# Altium PCB EDA-03518-V3-0_pcb.pcbdoc (part 3 of 14) (continued)
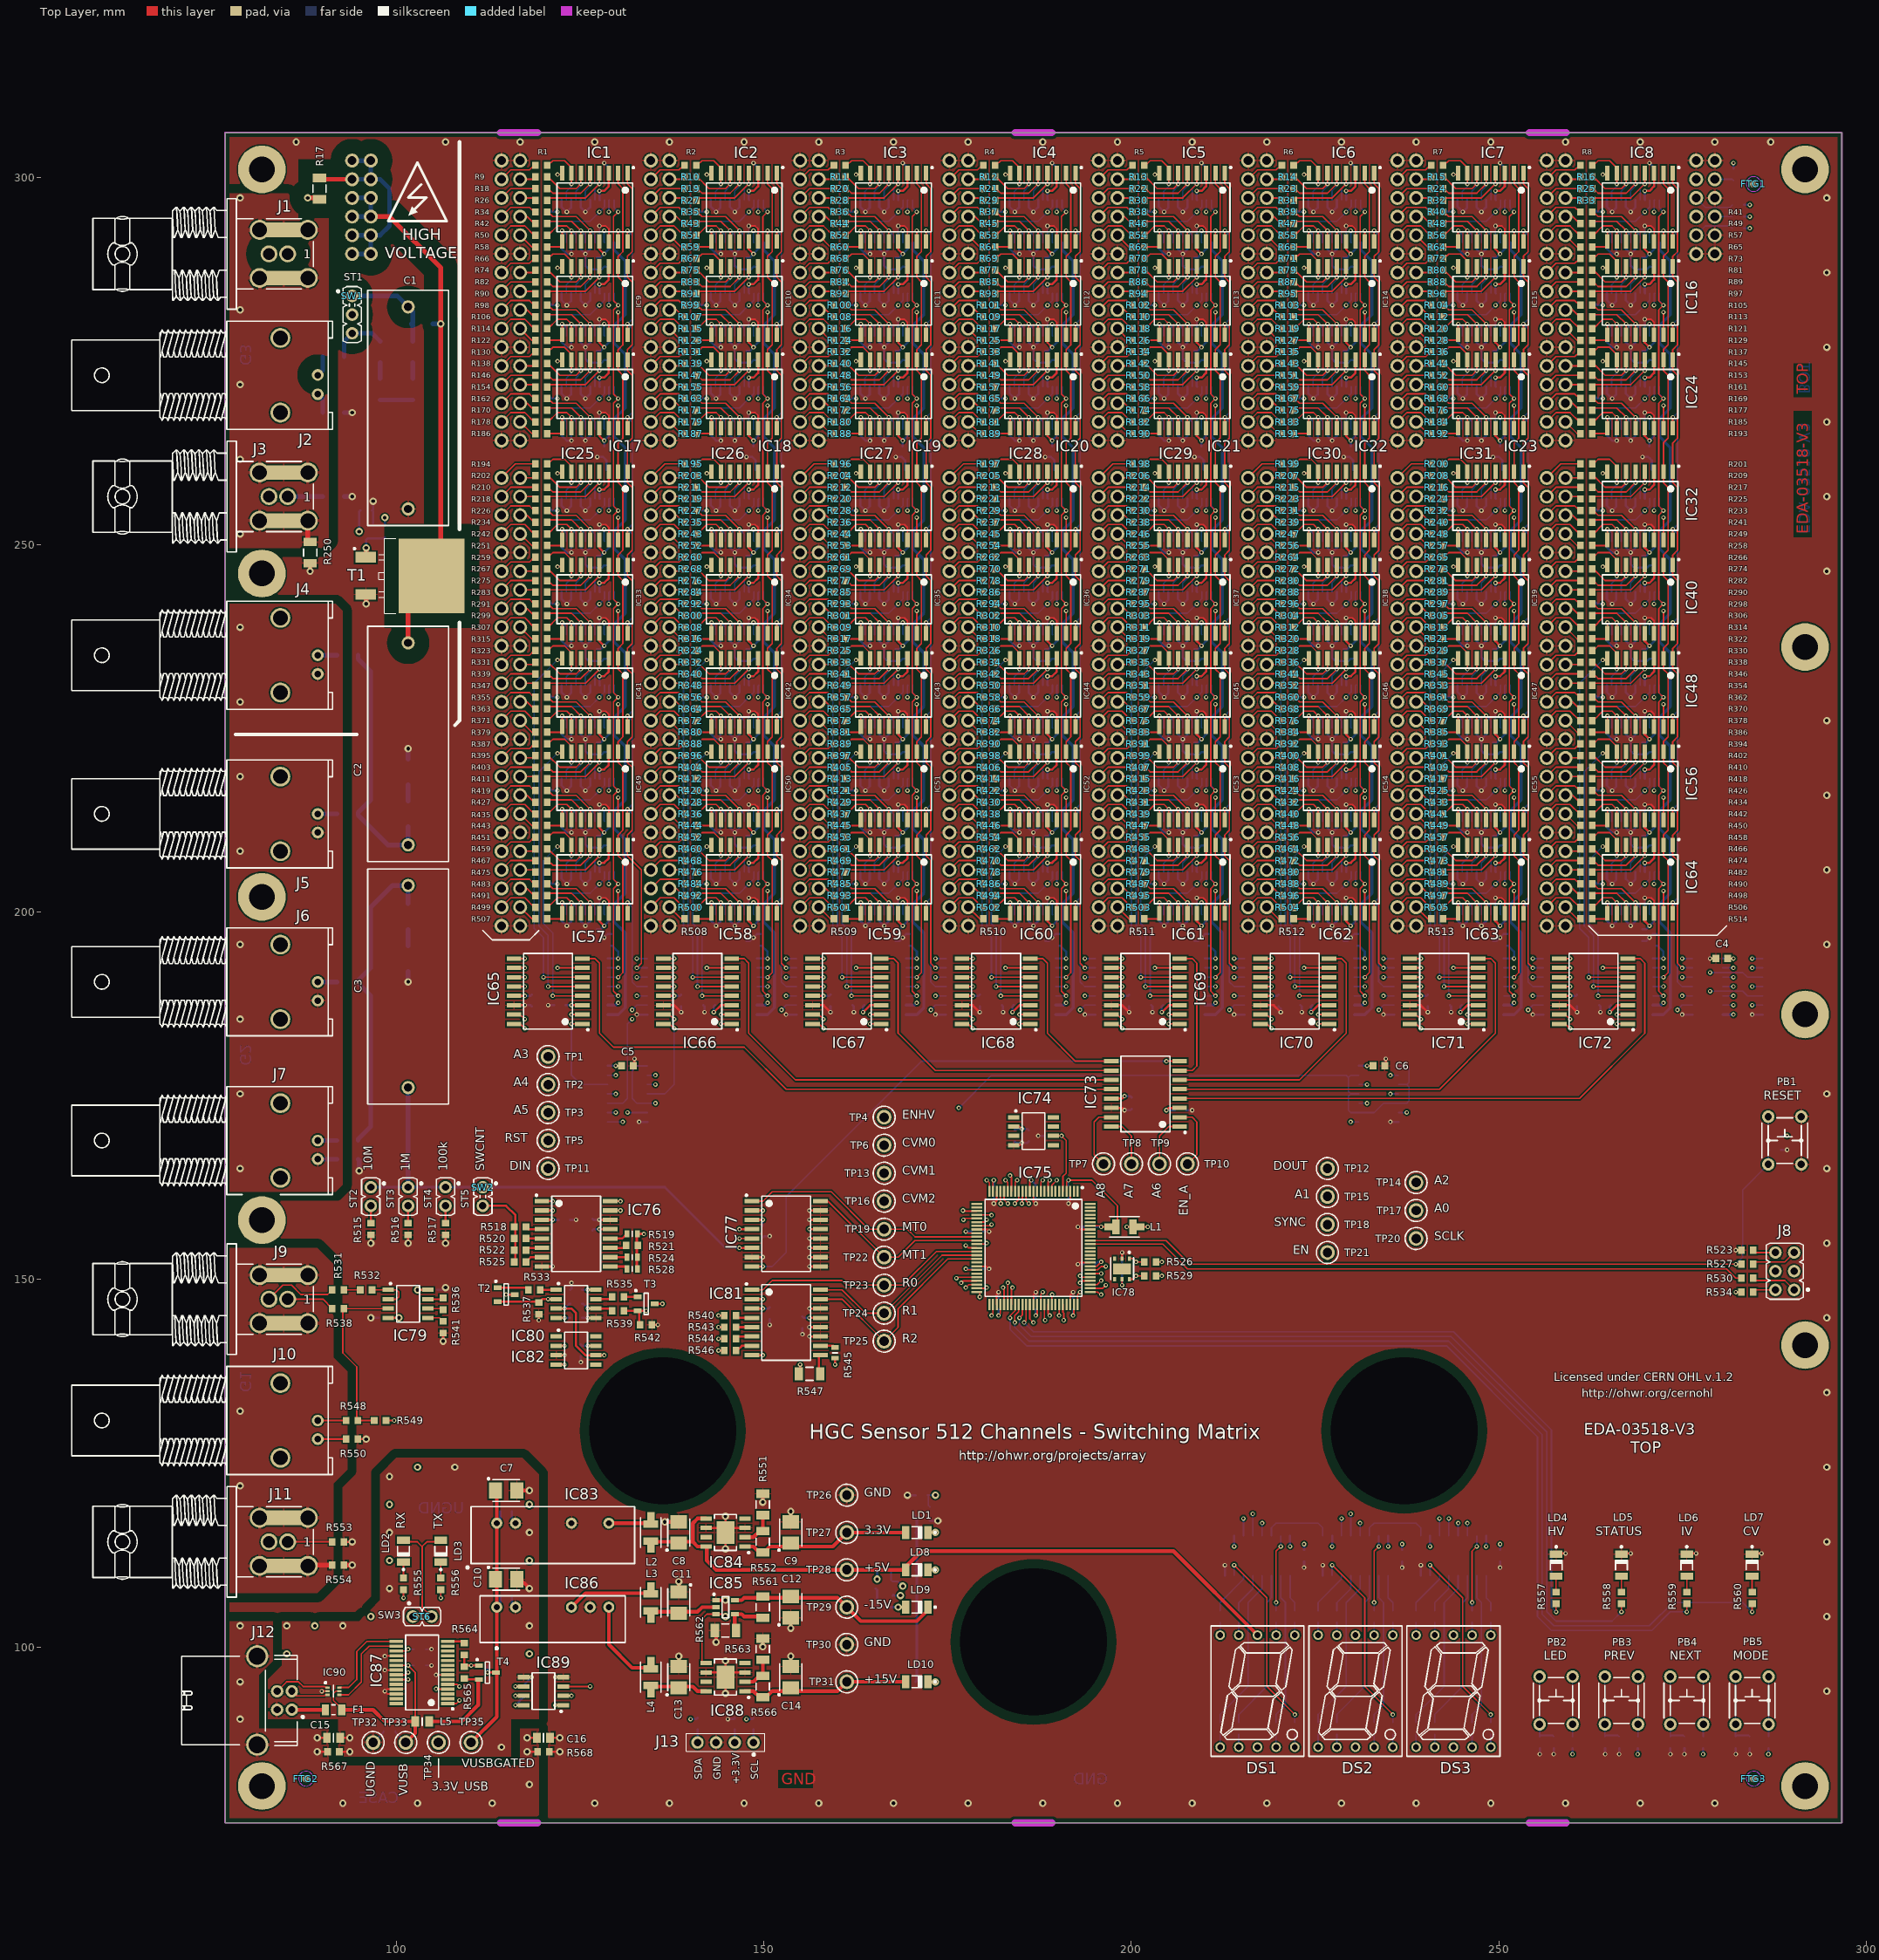
[diagram p0: Top Layer view]
## Part data (continued)
IC90: "2 Data-Line Protection, Very Low Capacitance ESD Protection", Case=SOT666, Manufacturer="ST MICROELECTRONICS", Author="CERN DEM MR", Bonding=No, ComponentHeight=0.6mm, Component Type=Standard, CreateDate=16/06/2016, Device=USBLC6-2P6, HelpURL=\\cern.ch\dfs\Applications\Altium\Datasheets\USBLC6-2P6.pdf, LatestRevisionDate=16/06/2016, Manufacturer Part Number=USBLC6-2P6, Mounted=Yes, PackageDescription="SOTFL (SOT666, SOT563), 0.50mm, Pitch; 6 Pin, 1.20mm W X 1.60mm L X 0.60mm H Body, IPC Medium Density", Part Description="2 Data-Line Protection, Very Low Capacitance ESD Protection", Part Number=USBLC6-2P6, Pin Count=6, PressFit=No, Sense=No, SMD=Yes, Socket=No
IC91 IC92 IC93 IC94 IC95 IC96 IC97 IC98 IC99 IC100 IC101 IC102 IC103 IC104 IC105 IC106 IC107 IC108 IC109 IC110 IC111 IC112 IC113 IC114 IC115 IC116 IC117 IC118 IC119 IC120 IC121 IC122 IC123 IC124 IC125 IC126 IC127 IC128 IC129 IC130 IC131 IC132 IC133 IC134 IC135 IC136 IC137 IC138 IC139 IC140 IC141 IC142 IC143 IC144 IC145 IC146 IC147 IC148 IC149 IC150 IC151 IC152 IC153 IC154: "9.5 Ohm ON Resistance, ±15 V/+12 V/±5 V iCMOS,  Serially-Controlled Octal SPST Switches", Case=TSSOP24, Manufacturer="ANALOG DEVICES", Author="CERN DEM MR", Bonding=No, ComponentHeight=1.2mm, Component Type=Standard, CreateDate=21/10/2016, Device=ADG1414BRUZ, HelpURL=\\cern.ch\dfs\Applications\Altium\Datasheets\ADG1414BRUZ.pdf, LatestRevisionDate=21/10/2016, Manufacturer Part Number=ADG1414BRUZ, Mounted=Yes, PackageDescription="SOP, 0.65mm Pitch; 24 Pin, 4.40mm W X 7.80mm L X 1.20mm H Body, IPC Medium Density", Part Description="9.5 Ohm ON Resistance, ±15 V/+12 V/±5 V iCMOS,  Serially-Controlled Octal SPST Switches", Part Number=ADG1414BRUZ, Pin Count=24, PressFit=No, Sense=No, SMD=Yes, Socket=No
IC155 IC156 IC157 IC158 IC159 IC160 IC161 IC162 IC163 IC164 IC165: "Hex Inverter", Case=SOIC14, Manufacturer="NXP SEMICONDUCTORS", Author="CERN DEM JLC", Bonding=No, ComponentHeight=1.75mm, Component Type=Standard, CreateDate=06/04/2011, Device=74HC04D, HelpURL=\\cern.ch\dfs\Applications\Altium\Datasheets\74HC04D.pdf, LatestRevisionDate=06/04/2011, Manufacturer Part Number=74HC04D, Mounted=Yes, PackageDescription="SOIC 14, Pitch 1.27mm - Body 4x8.75mm, IPC Medium Density", Part Description="Hex Inverters", Part Number=74HC04D, Pin Count=12, PressFit=No, Sense=No, SMD=Yes, Socket=No
IC166 IC167 IC168: "8-Bit Shift Register With 3-State Output Register", Case=SOIC16, Manufacturer="TEXAS INSTRUMENTS", Author="CERN DEM JLC", Bonding=No, ComponentHeight=1.75mm, Component Type=Standard, CreateDate=05/06/2012, Device=SN74HC595D, HelpURL=\\cern.ch\dfs\Applications\Altium\Datasheets\SN74HC595D.pdf, LatestRevisionDate=05/06/2012, Manufacturer Part Number=SN74HC595D, Mounted=Yes, PackageDescription="SOIC 16, Pitch 1.27mm - Body 4x10mm, IPC Medium Density", Part Description="8-Bit Shift Register With 3-State Output Registers", Part Number=SN74HC595D, Pin Count=16, PressFit=No, Sense=No, SMD=Yes, Socket=No
J1 J3 J9 J11: library part CINCH_CBBJR79A, Manufacturer=TROMPETER/CINCH, Manufacturer Part Number=CBBJR79A, Author="CERN DEM WB", ClassName=NotMounted, ComponentHeight=8.636mm, Component Type=Standard, CreateDate=29/07/2016, Family=TRB, HelpURL=\\cern.ch\dfs\Applications\Altium\Datasheets\CINCH_CBBJR79A.pdf, LatestRevisionDate=15/02/2017, Mounted=No, Part Description="TRB ( Twinax/Triax 500MHz) Right Angle PCB Jack", Part Number=CINCH_CBBJR79A, Pin Count=2, PressFit=No, Sense=No, SMD=No, Socket=No, Status=None
J2 J4 J5 J6 J7 J10: library part TYCO_1-1337543-0, Manufacturer="TYCO ELECTRONICS", Manufacturer Part Number=1-1337543-0, Author="CERN DEM MR", ComponentHeight=15.8mm, Component Type=Standard, CreateDate=12/01/2016, Family=BNC, HelpURL=\\cern.ch\dfs\Applications\Altium\Datasheets\TYCO_1-1337543-0.pdf, LatestRevisionDate=12/01/2016, Mounted=Yes, Part Description="50 Ohms  BNC Elbow PCB Socket With Mounting Posts", Part Number=TYCO_1-1337543-0, Pin Count=2, PressFit=No, Sense=No, SMD=No, Socket=No, Status=None
J8: library part SAMTEC_MTLW-103-07-L-D-250, "Connector 6 Male", Manufacturer=SAMTEC, Manufacturer Part Number=MTLW-103-07-L-D-250, Author="CERN DEM JLC", ComponentHeight=7.87mm, Component Type=Standard, CreateDate=13/12/2012, Family="Header 6", HelpURL=\\cern.ch\dfs\Applications\Altium\Datasheets\SAMTEC_MTLW-103-07-L-D-250.pdf, LatestRevisionDate=13/12/2012, Mounted=Yes, Part Description="6 Contacts, Pitch 2.54mm, Dual Row Through Mount Straight Header (Post Lead = 6.35mm, Tail Lead 3.05mm, Insulator 1.52mm)", Part Number=SAMTEC_MTLW-103-07-L-D-250, Pin Count=6, PressFit=No, Sense=No, SMD=No, Socket=No, Status=None
J12: library part TYCO_292304-1, "4 Pin + 1 Shield USB Receptacle", Manufacturer="TYCO ELECTRONICS", Manufacturer Part Number=292304-1, Author="CERN DEM JLC", ComponentHeight=11.5mm, Component Type=Standard, CreateDate=16/07/2010, Family=USB, HelpURL=\\cern.ch\dfs\Applications\Altium\Datasheets\TYCO_292304-1.pdf, LatestRevisionDate=16/07/2010, Mounted=Yes, Part Description="Thru Hole, Right Angle, 4 Position, Type B, USB Receptacle", Part Number=TYCO_292304-1, Pin Count=5, PressFit=No, Sense=No, SMD=No, Socket=No, Status=None
J13: library part SAMTEC_SSW-104-02-L-S, "Connector 4 Female", Manufacturer=SAMTEC, Manufacturer Part Number=SSW-104-02-L-S, Author="CERN DEM JLC", ComponentHeight=8.51mm, Component Type=Standard, CreateDate=30/01/2012, Family="Socket 4", HelpURL=\\cern.ch\dfs\Applications\Altium\Datasheets\SAMTEC_SSW-104-02-L-S.pdf, LatestRevisionDate=30/01/2012, Mounted=Yes, Part Description="4 Contacts, Pitch 2.54mm, Single Row Through Mount Straight Socket (Lead Length 4.93mm)", Part Number=SAMTEC_SSW-104-02-L-S, Pin Count=4, PressFit=No, Sense=No, SMD=No, Socket=No, Status=None
J14 J23: library part SAMTEC_ESW-106-69-L-D, "Connector 12 Female", Manufacturer=SAMTEC, Manufacturer Part Number=ESW-106-69-L-D, Author="CERN DEM MR", ComponentHeight=18.67mm, Component Type=Standard, CreateDate=23/11/2016, Family="Socket 12", HelpURL=\\cern.ch\dfs\Applications\Altium\Datasheets\SAMTEC_ESW-106-69-L-D.pdf, LatestRevisionDate=23/11/2016, Mounted=Yes, Part Description="12 Contacts, Pitch 2.54mm, Dual Row Through Mount Straight Elevated Socket, Low Insertion Force (Lead Length 4.57mm)", Part Number=SAMTEC_ESW-106-69-L-D, Pin Count=12, PressFit=No, Sense=No, SMD=No, Socket=No, Status=None
J15 J16 J17 J18 J19 J20 J21 J22: library part SAMTEC_ESW-116-69-L-D, "Connector 32 Female", Manufacturer=SAMTEC, Manufacturer Part Number=ESW-116-69-L-D, Author="CERN DEM MR", ComponentHeight=18.67mm, Component Type=Standard, CreateDate=23/11/2016, Family="Socket 32", HelpURL=\\cern.ch\dfs\Applications\Altium\Datasheets\SAMTEC_ESW-116-69-L-D.pdf, LatestRevisionDate=23/11/2016, Mounted=Yes, Part Description="32 Contacts, Pitch 2.54mm, Dual Row Through Mount Straight Elevated Socket, Low Insertion Force (Lead Length 4.57mm)", Part Number=SAMTEC_ESW-116-69-L-D, Pin Count=32, PressFit=No, Sense=No, SMD=No, Socket=No, Status=None
J24 J25 J26 J27 J28 J29 J30 J31: library part SAMTEC_ESW-125-69-L-D, "Connector 50 Female", Manufacturer=SAMTEC, Manufacturer Part Number=ESW-125-69-L-D, Author="CERN DEM MR", ComponentHeight=18.67mm, Component Type=Standard, CreateDate=23/11/2016, Family="Socket 50", HelpURL=\\cern.ch\dfs\Applications\Altium\Datasheets\SAMTEC_ESW-125-69-L-D.pdf, LatestRevisionDate=23/11/2016, Mounted=Yes, Part Description="50 Contacts, Pitch 2.54mm, Dual Row Through Mount Straight Elevated Socket, Low Insertion Force (Lead Length 4.57mm)", Part Number=SAMTEC_ESW-125-69-L-D, Pin Count=50, PressFit=No, Sense=No, SMD=No, Socket=No, Status=None
L1: library part IND_10UH_10%_MURATA_LQH32CN100K33L, "Inductor With Core", Manufacturer=MURATA, Manufacturer Part Number=LQH32CN100K33L, Power=450mA, Resistance=0.3R, Tolerance=±10%, Author="CERN DEM JLC", ComponentHeight=2.2mm, Component Type=Standard, CreateDate=06/04/2009, HelpURL=\\cern.ch\dfs\Applications\Altium\Datasheets\IND_MURATA_LQH32CN_33.pdf, LatestRevisionDate=04/07/2018, Mounted=Yes, Part Description="Chip Inductor (Chip Coil) for Choke Wire Wound Type", Part Number=IND_10UH_10%_MURATA_LQH32CN100K33L, Pin Count=2, Sense=No, SMD=Yes, Socket=No, Status=None
L2 L3 L4: library part IND_4.7UH_20%_MURATA_LQH32CN4R7M33L, "Inductor With Core", Manufacturer=MURATA, Manufacturer Part Number=LQH32CN4R7M33L, Power=650mA, Resistance=0.15R, Tolerance=±20%, Author="CERN DEM JLC", ComponentHeight=2.2mm, Component Type=Standard, CreateDate=20/04/2010, HelpURL=\\cern.ch\dfs\Applications\Altium\Datasheets\IND_MURATA_LQH32CN_33.pdf, LatestRevisionDate=04/07/2018, Mounted=Yes, Part Description="Chip Inductor (Chip Coil) for Choke Wire Wound Type", Part Number=IND_4.7UH_20%_MURATA_LQH32CN4R7M33L, Pin Count=2, Sense=No, SMD=Yes, Socket=No, Status=None
L5: library part IND0805_WURTH_742792037, "Inductor", Case=0805, Manufacturer="WURTH ELEKTRONIK", Manufacturer Part Number=742792037, Power=2A, Resistance=0.08R, Tolerance=±25%, Author="CERN DEM MR", ComponentHeight=1.1mm, Component Type=Standard, CreateDate=16/06/2016, HelpURL=\\cern.ch\dfs\Applications\Altium\Datasheets\IND0805_WURTH_742792037.pdf, LatestRevisionDate=16/06/2016, Mounted=Yes, Part Description="SMD EMI Suppression Chip Ferrite Bead (WE-CBF Series)", Part Number=IND0805_WURTH_742792037, Pin Count=2, Sense=No, SMD=Yes, Socket=No, Status=None
LD1 LD2 LD5 LD8 LD9 LD10: library part LED_AVAGO_HSMG-C150, "LED Green 1C 2A", Case=1206, Color=Green, Manufacturer="AVAGO TECHNOLOGIES", Manufacturer Part Number=HSMG-C150, Author="CERN DEM MR", Bonding=No, ComponentHeight=1.2mm, Component Type=Standard, CreateDate=12/01/2018, HelpURL=\\cern.ch\dfs\Applications\Altium\Datasheets\LED_AVAGO_HSMG-C150.pdf, LatestRevisionDate=12/01/2018, Mounted=Yes, PackageDescription="Green Chip LED, 2-Leads, Body 3.2 x1.6mm, IPC Medium Density", Part Description="Surface Mount Green LED (1206 Case)", Part Number=LED_AVAGO_HSMG-C150, Pin Count=2, PressFit=No, Sense=No, SMD=Yes, Socket=No
LD3 LD6 LD7: library part LED_AVAGO_HSMY-C150, "LED Yellow 1C 2A", Case=1206, Color=Yellow, Manufacturer="AVAGO TECHNOLOGIES", Manufacturer Part Number=HSMY-C150, Author="CERN DEM JLC", Bonding=No, ComponentHeight=1.2mm, Component Type=Standard, CreateDate=08/03/2018, HelpURL=\\cern.ch\dfs\Applications\Altium\Datasheets\LED_AVAGO_HSMY-C150.pdf, LatestRevisionDate=08/03/2018, Mounted=Yes, PackageDescription="Yellow Diffused Chip LED, 2-Leads, Body 3.2 x1.6mm, IPC Medium Density", Part Description="Yellow Diffused Surface Mount LED (1206 Case)", Part Number=LED_AVAGO_HSMY-C150, Pin Count=2, PressFit=No, Sense=No, SMD=Yes, Socket=No
LD4: library part LED_AVAGO_HSMC-C150, "LED Red 1C 2A", Case=1206, Color=Red, Manufacturer="AVAGO TECHNOLOGIES", Manufacturer Part Number=HSMC-C150, Author="CERN DEM JLC", Bonding=No, ComponentHeight=1.2mm, Component Type=Standard, CreateDate=18/06/2013, HelpURL=\\cern.ch\dfs\Applications\Altium\Datasheets\LED_AVAGO_HSMC-C150.pdf, LatestRevisionDate=18/06/2013, Mounted=Yes, PackageDescription="Red Chip LED, 2-Leads, Body 3.2 x1.6mm, IPC Medium Density", Part Description="Surface Mount Red LED (1206 Case)", Part Number=LED_AVAGO_HSMC-C150, Pin Count=2, PressFit=No, Sense=No, SMD=Yes, Socket=No
PB1 PB2 PB3 PB4 PB5: library part PB_ALPS_SKHHDTA010, "Push-Button Switch SPDT", Manufacturer=ALPS, Manufacturer Part Number=SKHHDTA010, Author="CERN DEM JLC", ComponentHeight=13mm, Component Type=Standard, CreateDate=26/09/2013, Family="Push Button", HelpURL=\\cern.ch\dfs\Applications\Altium\Datasheets\PB_ALPS_SKHHDTA010.pdf, LatestRevisionDate=26/09/2013, Mounted=Yes, PackageDescription="6x6mm Model, 13mm Stem Height Vertical Pushbutton Switch, ALPS SKHH Series", Part Description="12VDC 50mA, 6x6mm Model, 13mm Stem Height Vertical Pushbutton Switch, ALPS SKHH Series", Part Number=PB_ALPS_SKHHDTA010, Pin Count=4, PressFit=No, Sense=Yes, Sense Comment=Non-washable, SMD=No, Socket=No, Status=None
R1 R2 R3 R4 R5 R6 R7 R8 R9 R10 R11 R12 R13 R14 R15 R16 R18 R19 R20 R21 R22 R23 R24 R25 R26 R27 R28 R29 R30 R31 R32 R33 R34 R35 R36 R37 R38 R39 R40 R41 R42 R43 R44 R45 R46 R47 R48 R49 R50 R51 R52 R53 R54 R55 R56 R57 R58 R59 R60 R61 R62 R63 R64 R65 R66 R67 R68 R69 R70 R71 R72 R73 R74 R75 R76 R77 R78 R79 R80 R81 R82 R83 R84 R85 R86 R87 R88 R89 R90 R91 R92 R93 R94 R95 R96 R97 R98 R99 R100 R101 R102 R103 R104 R105 R106 R107 R108 R109 R110 R111 R112 R113 R114 R115 R116 R117 R118 R119 R120 R121 R122 R123 R124 R125 R126 R127 R128 R129 R130 R131 R132 R133 R134 R135 R136 R137 R138 R139 R140 R141 R142 R143 R144 R145 R146 R147 R148 R149 R150 R151 R152 R153 R154 R155 R156 R157 R158 R159 R160 R161 R162 R163 R164 R165 R166 R167 R168 R169 R170 R171 R172 R173 R174 R175 R176 R177 R178 R179 R180 R181 R182 R183 R184 R185 R186 R187 R188 R189 R190 R191 R192 R193 R194 R195 R196 R197 R198 R199 R200 R201 R202 R203 R204 R205 R206 R207 R208 R209 R210 R211 R212 R213 R214 R215 R216 R217 R218 R219 R220 R221 R222 R223 R224 R225 R226 R227 R228 R229 R230 R231 R232 R233 R234 R235 R236 R237 R238 R239 R240 R241 R242 R243 R244 R245 R246 R247 R248 R249 R251 R252 R253 R254 R255 R256 R257 R258 R259 R260 R261 R262 R263 R264 R265 R266 R267 R268 R269 R270 R271 R272 R273 R274 R275 R276 R277 R278 R279 R280 R281 R282 R283 R284 R285 R286 R287 R288 R289 R290 R291 R292 R293 R294 R295 R296 R297 R298 R299 R300 R301 R302 R303 R304 R305 R306 R307 R308 R309 R310 R311 R312 R313 R314 R315 R316 R317 R318 R319 R320 R321 R322 R323 R324 R325 R326 R327 R328 R329 R330 R331 R332 R333 R334 R335 R336 R337 R338 R339 R340 R341 R342 R343 R344 R345 R346 R347 R348 R349 R350 R351 R352 R353 R354 R355 R356 R357 R358 R359 R360 R361 R362 R363 R364 R365 R366 R367 R368 R369 R370 R371 R372 R373 R374 R375 R376 R377 R378 R379 R380 R381 R382 R383 R384 R385 R386 R387 R388 R389 R390 R391 R392 R393 R394 R395 R396 R397 R398 R399 R400 R401 R402 R403 R404 R405 R406 R407 R408 R409 R410 R411 R412 R413 R414 R415 R416 R417 R418 R419 R420 R421 R422 R423 R424 R425 R426 R427 R428 R429 R430 R431 R432 R433 R434 R435 R436 R437 R438 R439 R440 R441 R442 R443 R444 R445 R446 R447 R448 R449 R450 R451 R452 R453 R454 R455 R456 R457 R458 R459 R460 R461 R462 R463 R464 R465 R466 R467 R468 R469 R470 R471 R472 R473 R474 R475 R476 R477 R478 R479 R480 R481 R482 R483 R484 R485 R486 R487 R488 R489 R490 R491 R492 R493 R494 R495 R496 R497 R498 R499 R500 R501 R502 R503 R504 R505 R506 R507 R508 R509 R510 R511 R512 R513 R514 R526 R529 R537 R539 R540 R542 R569 R570 R579 R580 R650 R653 R672 R673 R686 R688 R690 R692: library part R0603_10K_1%_0.1W_100PPM, "Resistor - 1%", Case=0603, Manufacturer=GENERIC, Manufacturer1 ComponentHeight=0.55mm, Manufacturer1 Example="NIC COMPONENT", Manufacturer1 Part Number=NRC06F1002TRF, Power=0.1W, Tolerance=±1%, Author="CERN DEM JLC", Component Type=Standard, CreateDate=03/12/2007, HelpURL=\\cern.ch\dfs\Applications\Altium\Datasheets\R0603_NIC_NRC.pdf, LatestRevisionDate=13/03/2008, Manufacturer Part Number=R0603_10K_1%_0.1W_100PPM, Part Description="General Purpose Thick Film Chip Resistor", Part Number=R0603_10K_1%_0.1W_100PPM, Pin Count=2, PressFit=No, Sense=No, SMD=Yes, Socket=No, Status=Preferred, TC=±100ppm/°C
  R1 R2 R3 R4 R5 R6 R7 R8 R9 R10 R11 R12 R13 R14 R15 R16 R18 R19 R20 R21 R22 R23 R24 R25 R26 R27 R28 R29 R30 R31 R32 R33 R34 R35 R36 R37 R38 R39 R40 R41 R42 R43 R44 R45 R46 R47 R48 R49 R50 R51 R52 R53 R54 R55 R56 R57 R58 R59 R60 R61 R62 R63 R64 R65 R66 R67 R68 R69 R70 R71 R72 R73 R74 R75 R76 R77 R78 R79 R80 R81 R82 R83 R84 R85 R86 R87 R88 R89 R90 R91 R92 R93 R94 R95 R96 R97 R98 R99 R100 R101 R102 R103 R104 R105 R106 R107 R108 R109 R110 R111 R112 R113 R114 R115 R116 R117 R118 R119 R120 R121 R122 R123 R124 R125 R126 R127 R128 R129 R130 R131 R132 R133 R134 R135 R136 R137 R138 R139 R140 R141 R142 R143 R144 R145 R146 R147 R148 R149 R150 R151 R152 R153 R154 R155 R156 R157 R158 R159 R160 R161 R162 R163 R164 R165 R166 R167 R168 R169 R170 R171 R172 R173 R174 R175 R176 R177 R178 R179 R180 R181 R182 R183 R184 R185 R186 R187 R188 R189 R190 R191 R192 R193 R194 R195 R196 R197 R198 R199 R200 R201 R202 R203 R204 R205 R206 R207 R208 R209 R210 R211 R212 R213 R214 R215 R216 R217 R218 R219 R220 R221 R222 R223 R224 R225 R226 R227 R228 R229 R230 R231 R232 R233 R234 R235 R236 R237 R238 R239 R240 R241 R242 R243 R244 R245 R246 R247 R248 R249 R251 R252 R253 R254 R255 R256 R257 R258 R259 R260 R261 R262 R263 R264 R265 R266 R267 R268 R269 R270 R271 R272 R273 R274 R275 R276 R277 R278 R279 R280 R281 R282 R283 R284 R285 R286 R287 R288 R289 R290 R291 R292 R293 R294 R295 R296 R297 R298 R299 R300 R301 R302 R303 R304 R305 R306 R307 R308 R309 R310 R311 R312 R313 R314 R315 R316 R317 R318 R319 R320 R321 R322 R323 R324 R325 R326 R327 R328 R329 R330 R331 R332 R333 R334 R335 R336 R337 R338 R339 R340 R341 R342 R343 R344 R345 R346 R347 R348 R349 R350 R351 R352 R353 R354 R355 R356 R357 R358 R359 R360 R361 R362 R363 R364 R365 R366 R367 R368 R369 R370 R371 R372 R373 R374 R375 R376 R377 R378 R379 R380 R381 R382 R383 R384 R385 R386 R387 R388 R389 R390 R391 R392 R393 R394 R395 R396 R397 R398 R399 R400 R401 R402 R403 R404 R405 R406 R407 R408 R409 R410 R411 R412 R413 R414 R415 R416 R417 R418 R419 R420 R421 R422 R423 R424 R425 R426 R427 R428 R429 R430 R431 R432 R433 R434 R435 R436 R437 R438 R439 R440 R441 R442 R443 R444 R445 R446 R447 R448 R449 R450 R451 R452 R453 R454 R455 R456 R457 R458 R459 R460 R461 R462 R463 R464 R465 R466 R467 R468 R469 R470 R471 R472 R473 R474 R475 R476 R477 R478 R479 R480 R481 R482 R483 R484 R485 R486 R487 R488 R489 R490 R491 R492 R493 R494 R495 R496 R497 R498 R499 R500 R501 R502 R503 R504 R505 R506 R507 R508 R509 R510 R511 R512 R513 R514 R526 R529 R569 R570 R579 R580 R650 R672 R673 R686 R688 R690 R692: Mounted=Yes
  R537 R539 R540 R542 R653: ClassName=NotMounted, Mounted=No
R17 R250 R589 R592 R603 R604 R623 R640 R649 R651 R652: library part R1206_0R_JUMPER, "Resistor", Case=1206, Manufacturer=GENERIC, Manufacturer1 ComponentHeight=0.65mm, Manufacturer1 Example="NIC COMPONENT", Manufacturer1 Part Number=NRC12Z0, Author="CERN DEM JLC", Component Type=Standard, CreateDate=03/12/2007, HelpURL=\\cern.ch\dfs\Applications\Altium\Datasheets\R1206_NIC_NRC.pdf, LatestRevisionDate=13/03/2008, Manufacturer Part Number=R1206_0R_JUMPER, Part Description="2A (0.05R Max DC Resistance) Zero Ohm Jumper", Part Number=R1206_0R_JUMPER, Pin Count=2, PressFit=No, Sense=No, SMD=Yes, Socket=No, Status=Preferred
  R17 R250 R589 R592 R603 R604 R623 R640 R649 R651: Mounted=Yes
  R652: ClassName=NotMounted, Mounted=No
R515 R521 R546: library part R0603_10M_1%_0.1W_100PPM, "Resistor - 1%", Case=0603, Manufacturer=GENERIC, Manufacturer1 ComponentHeight=0.55mm, Manufacturer1 Example=VISHAY, Manufacturer1 Part Number=CRCW060310M0FKEA, Power=0.1W, Tolerance=±1%, Author="CERN DEM JLC", Component Type=Standard, CreateDate=12/01/2017, HelpURL="\\cern.ch\dfs\Applications\Altium\Datasheets\R0603_VISHAY_CRCW e3.pdf", LatestRevisionDate=12/01/2017, Manufacturer Part Number=R0603_10M_1%_0.1W_100PPM, Part Description="General Purpose Thick Film Chip Resistor", Part Number=R0603_10M_1%_0.1W_100PPM, Pin Count=2, PressFit=No, Sense=No, SMD=Yes, Socket=No, Status=Preferred, TC=±100ppm/°C
  R515 R521: Mounted=Yes
  R546: ClassName=NotMounted, Mounted=No
R516 R522 R544: library part R0603_1M_1%_0.1W_100PPM, "Resistor - 1%", Case=0603, Manufacturer=GENERIC, Manufacturer1 ComponentHeight=0.55mm, Manufacturer1 Example="NIC COMPONENT", Manufacturer1 Part Number=NRC06F1004TRF, Power=0.1W, Tolerance=±1%, Author="CERN DEM JLC", Component Type=Standard, CreateDate=03/12/2007, HelpURL=\\cern.ch\dfs\Applications\Altium\Datasheets\R0603_NIC_NRC.pdf, LatestRevisionDate=13/03/2008, Manufacturer Part Number=R0603_1M_1%_0.1W_100PPM, Part Description="General Purpose Thick Film Chip Resistor", Part Number=R0603_1M_1%_0.1W_100PPM, Pin Count=2, PressFit=No, Sense=No, SMD=Yes, Socket=No, Status=Preferred, TC=±100ppm/°C
  R516 R522: Mounted=Yes
  R544: ClassName=NotMounted, Mounted=No
R517 R518 R543 R565 R613 R614 R654 R657 R687 R689 R691 R693: library part R0603_100K_1%_0.1W_100PPM, "Resistor - 1%", Case=0603, Manufacturer=GENERIC, Manufacturer1 ComponentHeight=0.55mm, Manufacturer1 Example="NIC COMPONENT", Manufacturer1 Part Number=NRC06F1003TRF, Power=0.1W, Tolerance=±1%, Author="CERN DEM JLC", Component Type=Standard, CreateDate=03/12/2007, HelpURL=\\cern.ch\dfs\Applications\Altium\Datasheets\R0603_NIC_NRC.pdf, LatestRevisionDate=13/03/2008, Manufacturer Part Number=R0603_100K_1%_0.1W_100PPM, Part Description="General Purpose Thick Film Chip Resistor", Part Number=R0603_100K_1%_0.1W_100PPM, Pin Count=2, PressFit=No, Sense=No, SMD=Yes, Socket=No, Status=Preferred, TC=±100ppm/°C
  R517 R518 R565 R654 R657 R687 R689 R691 R693: Mounted=Yes
  R543 R613 R614: ClassName=NotMounted, Mounted=No
R519: library part R0603_5M_1%_0.1W_100PPM_OHMITE_HVC, "Resistor - 1%", Case=0603, Manufacturer=OHMITE, Manufacturer Part Number=HVC0603T5004FET, Power=0.1W, Tolerance=±1%, Author="CERN DEM JMW", ComponentHeight=0.55mm, Component Type=Standard, CreateDate=14/09/2018, HelpURL=\\cern.ch\dfs\Applications\Altium\Datasheets\R0603_OHMITE_HVC.pdf, LatestRevisionDate=14/09/2018, Mounted=Yes, Part Description="High-Value High-voltage (150V) Wraparound Chip Resistor", Part Number=R0603_5M_1%_0.1W_100PPM_OHMITE_HVC, Pin Count=2, PressFit=No, Sense=No, SMD=Yes, Socket=No, Status=None, TC=±100ppm/°C
R520: library part R0603_510K_1%_0.1W_100PPM, "Resistor - 1%", Case=0603, Manufacturer=GENERIC, Manufacturer1 ComponentHeight=0.55mm, Manufacturer1 Example="NIC COMPONENT", Manufacturer1 Part Number=NRC06F5103TRF, Power=0.1W, Tolerance=±1%, Author="CERN DEM JLC", Component Type=Standard, CreateDate=03/12/2007, HelpURL=\\cern.ch\dfs\Applications\Altium\Datasheets\R0603_NIC_NRC.pdf, LatestRevisionDate=13/03/2008, Manufacturer Part Number=R0603_510K_1%_0.1W_100PPM, Mounted=Yes, Part Description="General Purpose Thick Film Chip Resistor", Part Number=R0603_510K_1%_0.1W_100PPM, Pin Count=2, PressFit=No, Sense=No, SMD=Yes, Socket=No, Status=Preferred, TC=±100ppm/°C
R523 R527 R530 R531 R534 R536 R538 R541 R548 R550 R553 R554: library part R0603_0R_JUMPER, "Resistor", Case=0603, Manufacturer=GENERIC, Manufacturer1 ComponentHeight=0.55mm, Manufacturer1 Example="NIC COMPONENT", Manufacturer1 Part Number=NRC06Z0, Author="CERN DEM JLC", Component Type=Standard, CreateDate=03/12/2007, HelpURL=\\cern.ch\dfs\Applications\Altium\Datasheets\R0603_NIC_NRC.pdf, LatestRevisionDate=13/03/2008, Manufacturer Part Number=R0603_0R_JUMPER, Part Description="1A (0.05R Max DC Resistance) Zero Ohm Jumper", Part Number=R0603_0R_JUMPER, Pin Count=2, PressFit=No, Sense=No, SMD=Yes, Socket=No, Status=Preferred
  R523 R527 R530 R534 R548 R550: Mounted=Yes
  R531 R536 R538 R541 R553 R554: ClassName=NotMounted, Mounted=No
R524: library part R0603_50M_1%_0.1W_100PPM_OHMITE_HVC, "Resistor - 1%", Case=0603, Manufacturer=OHMITE, Manufacturer Part Number=HVC0603T5005FET, Power=0.1W, Tolerance=±5%, Author="CERN DEM JLC", ComponentHeight=0.55mm, Component Type=Standard, CreateDate=03/07/2018, HelpURL=\\cern.ch\dfs\Applications\Altium\Datasheets\R0603_OHMITE_HVC.pdf, LatestRevisionDate=03/07/2018, Mounted=Yes, Part Description="High-Value High-voltage (150V) Wraparound Chip Resistor", Part Number=R0603_50M_1%_0.1W_100PPM_OHMITE_HVC, Pin Count=2, PressFit=No, Sense=No, SMD=Yes, Socket=No, Status=None, TC=±100ppm/°C
R525: library part R0603_2M_1%_0.1W_100PPM, "Resistor - 1%", Case=0603, Manufacturer=GENERIC, Manufacturer1 ComponentHeight=0.55mm, Manufacturer1 Example="NIC COMPONENT", Manufacturer1 Part Number=NRC06F2004TRF, Power=0.1W, Tolerance=±1%, Author="CERN DEM JLC", Component Type=Standard, CreateDate=03/12/2007, HelpURL=\\cern.ch\dfs\Applications\Altium\Datasheets\R0603_NIC_NRC.pdf, LatestRevisionDate=13/03/2008, Manufacturer Part Number=R0603_2M_1%_0.1W_100PPM, Mounted=Yes, Part Description="General Purpose Thick Film Chip Resistor", Part Number=R0603_2M_1%_0.1W_100PPM, Pin Count=2, PressFit=No, Sense=No, SMD=Yes, Socket=No, Status=Preferred, TC=±100ppm/°C
R528 R545: library part R0603_100M_1%_0.1W_100PPM_OHMITE_HVC, "Resistor - 1%", Case=0603, Manufacturer=OHMITE, Manufacturer Part Number=HVC0603T1006FET, Power=0.1W, Tolerance=±1%, Author="CERN DEM JMW", ComponentHeight=0.55mm, Component Type=Standard, CreateDate=30/06/2015, HelpURL=\\cern.ch\dfs\Applications\Altium\Datasheets\R0603_OHMITE_HVC.pdf, LatestRevisionDate=30/06/2015, Part Description="Precision High-Value High-Voltage Wraparound Chip Resistor", Part Number=R0603_100M_1%_0.1W_100PPM_OHMITE_HVC, Pin Count=2, PressFit=No, Sense=No, SMD=Yes, Socket=No, Status=None, TC=±100ppm/°C
  R528: Mounted=Yes
  R545: ClassName=NotMounted, Mounted=No
R532: library part R0603_470R_1%_0.1W_100PPM, "Resistor - 1%", Case=0603, Manufacturer=GENERIC, Manufacturer1 ComponentHeight=0.55mm, Manufacturer1 Example="NIC COMPONENT", Manufacturer1 Part Number=NRC06F4700TRF, Power=0.1W, Tolerance=±1%, Author="CERN DEM JLC", ClassName=NotMounted, Component Type=Standard, CreateDate=03/12/2007, HelpURL=\\cern.ch\dfs\Applications\Altium\Datasheets\R0603_NIC_NRC.pdf, LatestRevisionDate=13/03/2008, Manufacturer Part Number=R0603_470R_1%_0.1W_100PPM, Mounted=No, Part Description="General Purpose Thick Film Chip Resistor", Part Number=R0603_470R_1%_0.1W_100PPM, Pin Count=2, PressFit=No, Sense=No, SMD=Yes, Socket=No, Status=Preferred, TC=±100ppm/°C
R533 R535: library part R0603_100R_1%_0.1W_100PPM, "Resistor - 1%", Case=0603, Manufacturer=GENERIC, Manufacturer1 ComponentHeight=0.55mm, Manufacturer1 Example="NIC COMPONENT", Manufacturer1 Part Number=NRC06F4700TRF, Power=0.1W, Tolerance=±1%, Author="CERN DEM JLC", ClassName=NotMounted, Component Type=Standard, CreateDate=03/12/2007, HelpURL=\\cern.ch\dfs\Applications\Altium\Datasheets\R0603_NIC_NRC.pdf, LatestRevisionDate=13/03/2008, Manufacturer Part Number=R0603_100R_1%_0.1W_100PPM, Mounted=No, Part Description="General Purpose Thick Film Chip Resistor", Part Number=R0603_100R_1%_0.1W_100PPM, Pin Count=2, PressFit=No, Sense=No, SMD=Yes, Socket=No, Status=Preferred, TC=±100ppm/°C
R547: library part R1206_1G_1%_0.3W_100PPM_VISHAY_CRHV1206AF1G00FKFT, "Resistor - 1%", Case=1206, Manufacturer="VISHAY TECHNO", Manufacturer Part Number=CRHV1206AF1G00FKFT, Power=0.3W, Tolerance=±1%, Author="CERN DEM JLC", ClassName=NotMounted, ComponentHeight=0.68mm, Component Type=Standard, CreateDate=23/03/2009, HelpURL=\\cern.ch\dfs\Applications\Altium\Datasheets\R1206_VISHAY_CRHV.pdf, LatestRevisionDate=23/03/2009, Mounted=No, Part Description="Thick Film Chip Resistor, High Voltage", Part Number=R1206_1G_1%_0.3W_100PPM_VISHAY_CRHV1206AF1G00FKFT, Pin Count=2, PressFit=No, Sense=No, SMD=Yes, Socket=No, Status="Not Recommended", TC=±100ppm/°C
R549: library part R0603_51R_1%_0.1W_100PPM, "Resistor - 1%", Case=0603, Manufacturer=GENERIC, Manufacturer1 ComponentHeight=0.55mm, Manufacturer1 Example="NIC COMPONENT", Manufacturer1 Part Number=NRC06F51R0TRF, Power=0.1W, Tolerance=±1%, Author="CERN DEM JLC", Component Type=Standard, CreateDate=03/12/2007, HelpURL=\\cern.ch\dfs\Applications\Altium\Datasheets\R0603_NIC_NRC.pdf, LatestRevisionDate=13/03/2008, Manufacturer Part Number=R0603_51R_1%_0.1W_100PPM, Mounted=Yes, Part Description="General Purpose Thick Film Chip Resistor", Part Number=R0603_51R_1%_0.1W_100PPM, Pin Count=2, PressFit=No, Sense=No, SMD=Yes, Socket=No, Status=Preferred, TC=±100ppm/°C
R551: library part R1206_36K_1%_0.25W_100PPM, "Resistor - 1%", Case=1206, Manufacturer=GENERIC, Manufacturer1 ComponentHeight=0.65mm, Manufacturer1 Example="NIC COMPONENT", Manufacturer1 Part Number=NRC12F3602TRF, Power=0.25W, Tolerance=±1%, Author="CERN DEM JLC", Component Type=Standard, CreateDate=03/12/2007, HelpURL=\\cern.ch\dfs\Applications\Altium\Datasheets\R1206_NIC_NRC.pdf, LatestRevisionDate=13/03/2008, Manufacturer Part Number=R1206_36K_1%_0.25W_100PPM, Mounted=Yes, Part Description="General Purpose Thick Film Chip Resistor", Part Number=R1206_36K_1%_0.25W_100PPM, Pin Count=2, PressFit=No, Sense=No, SMD=Yes, Socket=No, Status=Preferred, TC=±100ppm/°C
R552: library part R1206_62K_1%_0.25W_100PPM, "Resistor - 1%", Case=1206, Manufacturer=GENERIC, Manufacturer1 ComponentHeight=0.65mm, Manufacturer1 Example="NIC COMPONENT", Manufacturer1 Part Number=NRC12F6202TRF, Power=0.25W, Tolerance=±1%, Author="CERN DEM JLC", Component Type=Standard, CreateDate=03/12/2007, HelpURL=\\cern.ch\dfs\Applications\Altium\Datasheets\R1206_NIC_NRC.pdf, LatestRevisionDate=13/03/2008, Manufacturer Part Number=R1206_62K_1%_0.25W_100PPM, Mounted=Yes, Part Description="General Purpose Thick Film Chip Resistor", Part Number=R1206_62K_1%_0.25W_100PPM, Pin Count=2, PressFit=No, Sense=No, SMD=Yes, Socket=No, Status=Preferred, TC=±100ppm/°C
R555 R556: library part R0603_220R_1%_0.1W_100PPM, "Resistor - 1%", Case=0603, Manufacturer=GENERIC, Manufacturer1 ComponentHeight=0.55mm, Manufacturer1 Example="NIC COMPONENT", Manufacturer1 Part Number=NRC06F2200TRF, Power=0.1W, Tolerance=±1%, Author="CERN DEM JLC", Component Type=Standard, CreateDate=03/12/2007, HelpURL=\\cern.ch\dfs\Applications\Altium\Datasheets\R0603_NIC_NRC.pdf, LatestRevisionDate=13/03/2008, Manufacturer Part Number=R0603_220R_1%_0.1W_100PPM, Mounted=Yes, Part Description="General Purpose Thick Film Chip Resistor", Part Number=R0603_220R_1%_0.1W_100PPM, Pin Count=2, PressFit=No, Sense=No, SMD=Yes, Socket=No, Status=Preferred, TC=±100ppm/°C
R557 R558 R559 R560 R655: library part R0603_330R_1%_0.1W_100PPM, "Resistor - 1%", Case=0603, Manufacturer=GENERIC, Manufacturer1 ComponentHeight=0.55mm, Manufacturer1 Example="NIC COMPONENT", Manufacturer1 Part Number=NRC06F3300TRF, Power=0.1W, Tolerance=±1%, Author="CERN DEM JLC", Component Type=Standard, CreateDate=03/12/2007, HelpURL=\\cern.ch\dfs\Applications\Altium\Datasheets\R0603_NIC_NRC.pdf, LatestRevisionDate=13/03/2008, Manufacturer Part Number=R0603_330R_1%_0.1W_100PPM, Mounted=Yes, Part Description="General Purpose Thick Film Chip Resistor", Part Number=R0603_330R_1%_0.1W_100PPM, Pin Count=2, PressFit=No, Sense=No, SMD=Yes, Socket=No, Status=Preferred, TC=±100ppm/°C
R561 R566: library part R1206_91K_1%_0.25W_100PPM, "Resistor - 1%", Case=1206, Manufacturer=GENERIC, Manufacturer1 ComponentHeight=0.65mm, Manufacturer1 Example="NIC COMPONENT", Manufacturer1 Part Number=NRC12F9102TRF, Power=0.25W, Tolerance=±1%, Author="CERN DEM JLC", Component Type=Standard, CreateDate=03/12/2007, HelpURL=\\cern.ch\dfs\Applications\Altium\Datasheets\R1206_NIC_NRC.pdf, LatestRevisionDate=13/03/2008, Manufacturer Part Number=R1206_91K_1%_0.25W_100PPM, Mounted=Yes, Part Description="General Purpose Thick Film Chip Resistor", Part Number=R1206_91K_1%_0.25W_100PPM, Pin Count=2, PressFit=No, Sense=No, SMD=Yes, Socket=No, Status=Preferred, TC=±100ppm/°C
R562 R563: library part R1206_8K2_1%_0.25W_100PPM, "Resistor - 1%", Case=1206, Manufacturer=GENERIC, Manufacturer1 ComponentHeight=0.65mm, Manufacturer1 Example="NIC COMPONENT", Manufacturer1 Part Number=NRC12F8201TRF, Power=0.25W, Tolerance=±1%, Author="CERN DEM JLC", Component Type=Standard, CreateDate=03/12/2007, HelpURL=\\cern.ch\dfs\Applications\Altium\Datasheets\R1206_NIC_NRC.pdf, LatestRevisionDate=13/03/2008, Manufacturer Part Number=R1206_8K2_1%_0.25W_100PPM, Mounted=Yes, Part Description="General Purpose Thick Film Chip Resistor", Part Number=R1206_8K2_1%_0.25W_100PPM, Pin Count=2, PressFit=No, Sense=No, SMD=Yes, Socket=No, Status=Preferred, TC=±100ppm/°C
R564: library part R0603_1K_1%_0.1W_100PPM, "Resistor - 1%", Case=0603, Manufacturer=GENERIC, Manufacturer1 ComponentHeight=0.55mm, Manufacturer1 Example="NIC COMPONENT", Manufacturer1 Part Number=NRC06F1001TRF, Power=0.1W, Tolerance=±1%, Author="CERN DEM JLC", Component Type=Standard, CreateDate=03/12/2007, HelpURL=\\cern.ch\dfs\Applications\Altium\Datasheets\R0603_NIC_NRC.pdf, LatestRevisionDate=13/03/2008, Manufacturer Part Number=R0603_1K_1%_0.1W_100PPM, Mounted=Yes, Part Description="General Purpose Thick Film Chip Resistor", Part Number=R0603_1K_1%_0.1W_100PPM, Pin Count=2, PressFit=No, Sense=No, SMD=Yes, Socket=No, Status=Preferred, TC=±100ppm/°C
R567 R568: library part R0603_1M1_1%_0.1W_100PPM, "Resistor - 1%", Case=0603, Manufacturer=GENERIC, Manufacturer1 ComponentHeight=0.55mm, Manufacturer1 Example="NIC COMPONENT", Manufacturer1 Part Number=NRC06F1104TRF, Power=0.1W, Tolerance=±1%, Author="CERN DEM JLC", Component Type=Standard, CreateDate=03/12/2007, HelpURL=\\cern.ch\dfs\Applications\Altium\Datasheets\R0603_NIC_NRC.pdf, LatestRevisionDate=13/03/2008, Manufacturer Part Number=R0603_1M1_1%_0.1W_100PPM, Part Description="General Purpose Thick Film Chip Resistor", Part Number=R0603_1M1_1%_0.1W_100PPM, Pin Count=2, PressFit=No, Sense=No, SMD=Yes, Socket=No, Status=Preferred, TC=±100ppm/°C
  R567: Mounted=Yes
  R568: ClassName=NotMounted, Mounted=No
R571 R572 R573 R574 R575 R576 R577 R578 R581 R582 R583 R584 R585 R586 R587 R588 R595 R596 R597 R598 R599 R600 R601 R602 R605 R606 R607 R608 R609 R610 R611 R612 R615 R616 R617 R618 R619 R620 R621 R622 R624 R625 R626 R627 R628 R629 R630 R631 R632 R633 R634 R635 R636 R637 R638 R639 R641 R642 R643 R644 R645 R646 R647 R648: library part R0603_33k_1%_0.1W_100PPM, "Resistor - 1%", Case=0603, Manufacturer=GENERIC, Manufacturer1 ComponentHeight=0.55mm, Manufacturer1 Example="NIC COMPONENT", Manufacturer1 Part Number=NRC06F3302TRF, Manufacturer Part Number=R0603_33K_1%_0.1W_100PPM, Power=0.1W, Tolerance=±1%, Author="CERN DEM JLC", Component Type=Standard, CreateDate=03/12/2007, HelpURL=\\cern.ch\dfs\Applications\Altium\Datasheets\R0603_NIC_NRC.pdf, LatestRevisionDate=13/03/2008, Mounted=Yes, Part Description="General Purpose Thick Film Chip Resistor", Part Number=R0603_33K_1%_0.1W_100PPM, Pin Count=2, PressFit=No, Sense=No, SMD=Yes, Socket=No, Status=Preferred, TC=±100ppm/°C
R590 R591 R593 R594: library part R1206_10K_1%_0.25W_100PPM, "Resistor - 1%", Case=1206, Manufacturer=GENERIC, Manufacturer1 ComponentHeight=0.65mm, Manufacturer1 Example="NIC COMPONENT", Manufacturer1 Part Number=NRC12F1002TRF, Power=0.25W, Tolerance=±1%, Author="CERN DEM JLC", Component Type=Standard, CreateDate=03/12/2007, HelpURL=\\cern.ch\dfs\Applications\Altium\Datasheets\R1206_NIC_NRC.pdf, LatestRevisionDate=13/03/2008, Manufacturer Part Number=R1206_10K_1%_0.25W_100PPM, Mounted=Yes, Part Description="General Purpose Thick Film Chip Resistor", Part Number=R1206_10K_1%_0.25W_100PPM, Pin Count=2, PressFit=No, Sense=No, SMD=Yes, Socket=No, Status=Preferred, TC=±100ppm/°C
R656: library part R0603_750R_1%_0.1W_100PPM, "Resistor - 1%", Case=0603, Manufacturer=GENERIC, Manufacturer1 ComponentHeight=0.55mm, Manufacturer1 Example="NIC COMPONENT", Manufacturer1 Part Number=NRC06F7500TRF, Power=0.1W, Tolerance=±1%, Author="CERN DEM JLC", Component Type=Standard, CreateDate=03/12/2007, HelpURL=\\cern.ch\dfs\Applications\Altium\Datasheets\R0603_NIC_NRC.pdf, LatestRevisionDate=13/03/2008, Manufacturer Part Number=R0603_750R_1%_0.1W_100PPM, Mounted=Yes, Part Description="General Purpose Thick Film Chip Resistor", Part Number=R0603_750R_1%_0.1W_100PPM, Pin Count=2, PressFit=No, Sense=No, SMD=Yes, Socket=No, Status=Preferred, TC=±100ppm/°C
R658 R671: library part R0603_2K4_1%_0.1W_100PPM, "Resistor - 1%", Case=0603, Manufacturer=GENERIC, Manufacturer1 ComponentHeight=0.55mm, Manufacturer1 Example="NIC COMPONENT", Manufacturer1 Part Number=NRC06F2401TRF, Power=0.1W, Tolerance=±1%, Author="CERN DEM JLC", Component Type=Standard, CreateDate=03/12/2007, HelpURL=\\cern.ch\dfs\Applications\Altium\Datasheets\R0603_NIC_NRC.pdf, LatestRevisionDate=13/03/2008, Manufacturer Part Number=R0603_2K4_1%_0.1W_100PPM, Mounted=Yes, Part Description="General Purpose Thick Film Chip Resistor", Part Number=R0603_2K4_1%_0.1W_100PPM, Pin Count=2, PressFit=No, Sense=No, SMD=Yes, Socket=No, Status=Preferred, TC=±100ppm/°C